# Altium PCB CT310高端控制盒基板电路V1.0.PcbDoc (part 7 of 8)
Units mil, origin at the board's own origin, x right, y up, seen from the top; angles counter-clockwise.
Board outline 8162.61 x 6196.81 mil, 2 copper layers (Top Layer, Bottom Layer), stack 65.792 mil thick; 265 components, 178 nets, 926 pads, 298 vias.
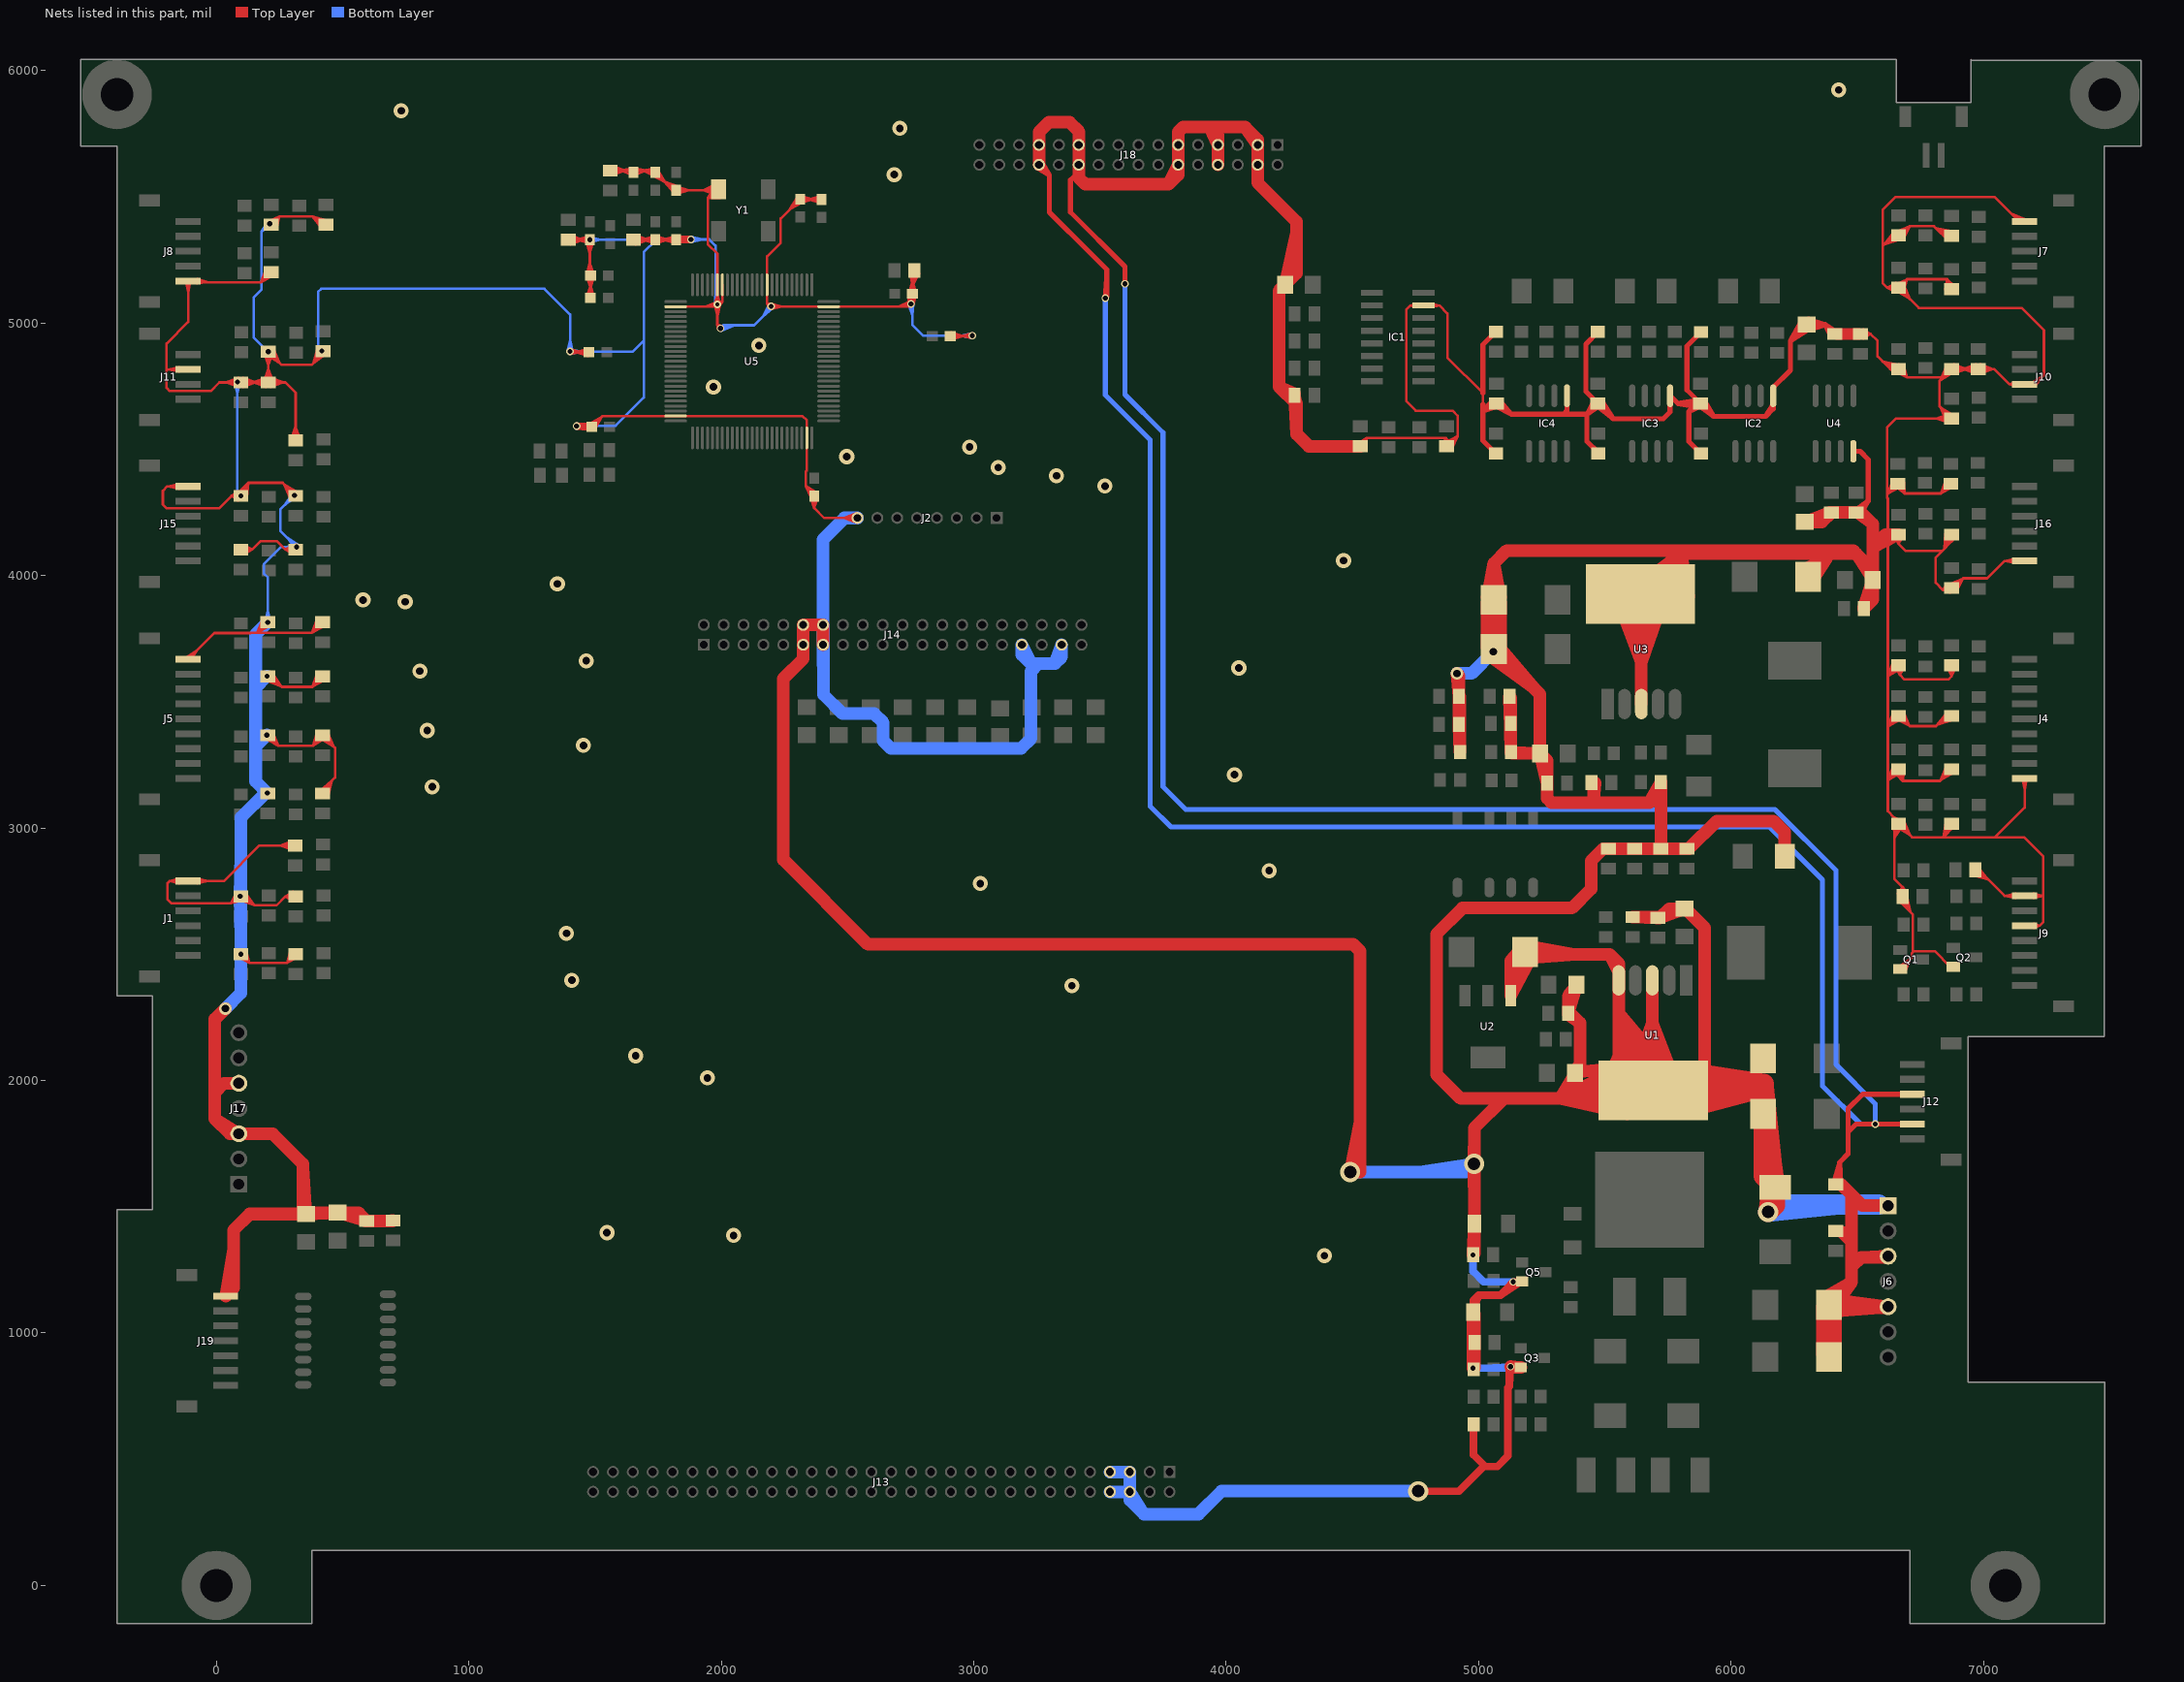
[diagram p7: the nets of this part, all layers, seen from the top]

## Via types
v1: diameter 30, hole 20, Top Layer to Bottom Layer, tented both sides, 226 vias
v2: diameter 60, hole 30, Top Layer to Bottom Layer, tented both sides, 32 vias
v3: diameter 50, hole 30, Top Layer to Bottom Layer, tented both sides, 20 vias
v4: diameter 80, hole 50, Top Layer to Bottom Layer, tented both sides, 10 vias
v5: diameter 50, hole 28, Top Layer to Bottom Layer, tented both sides, 8 vias
v6: diameter 30, hole 16, Top Layer to Bottom Layer, tented both sides, 1 vias
v7: diameter 24, hole 16, Top Layer to Bottom Layer, tented both sides, 1 vias

## Nets (pads, with @x,y where several pads share a name; then routed paths per layer and width w, separated by ;. In a path a pad name is that pad's centre, name@x,y a point inside that pad or via, vN(x,y) a via of type N, cw(c..) or ccw(c..) an arc to the next point about the centre after c; other vN are vias at no path point) (continued)
SGND: C1.2 C2.1 C3.1 C4.2 C5.1 C6.2 C7.2 C8.2 C9.1 C10.1 C11.1 C12.1 C13.1 C14.1 C15.2 C16.2 C17.2 C18.2 C19.2 C20.2 C21.1 C22.1 C23.2 C24.2 C25.2 C26.2 C27.2 C28.2 C29.2 C30.2 C31.2 C32.2 C33.2 C34.2 C35.2 C36.2 C37.2 C38.2 C39.2 C40.2 C41.2 C42.2 C43.2 C44.2 C45.2 C46.2 C47.2 C48.2 C49.2 C50.2 C51.2 C52.2 C53.2 C54.2 C55.2 C56.2 C57.2 C58.2 C59.2 C60.2 C61.2 C62.2 C63.2 C64.2 C65.2 C66.2 C67.2 C68.1 C69.2 C70.2 C71.2 C72.2 C73.2 C74.1 C75.1 C76.2 C77.2 C78.2 C79.1 C80.1 C81.1 C82.1 C83.1 C84.1 C85.2 C86.2 C89.2 C90.2 C91.2 C92.1 C93.1 C94.2 C95.1 C96.2 C97.2 C98.2 C99.1 C100.2 C101.1 C102.2 C103.1 C104.2 C107.2 C109.2 C111.2 C112.1 C113.1 C114.1 C115.1 D4.1 D5.1 D6.1 D7.1 IC1.15 IC2.5 IC3.5 IC4.5 J1.6 J2.8 J4.9 J5.9 J6.1 J6.3 J6.5 J7.1 J8.1 J9.2 J9.4 J10.3 J11.3 J12.3 J12.5 J13.5 J13.6 J13.7 J13.8 J14.11 J14.12 J14.13 J14.14 J14.33 J14.37 J15.6 J16.6 J17.3 J17.5 J18.3 J18.4 J18.7 J18.8 J18.11 J18.12 J18.21 J18.22 J18.25 J18.26 J19.7 Q1.2 Q2.2 Q3.2 Q5.2 R1.2 R3.1 R11.1 R19.1 R27.1 R28.1 R36.2 R37.2 R97.2 R98.1 R99.1 R104.2 R105.2 R106.2 R107.2 R110.2 R113.2 U1.0 U1.3 U1.5 U2.1 U3.0 U3.3 U4.4 U5.10 U5.19 U5.20 U5.27 U5.49 U5.74 U5.99 Y1.2 | length 176280.4
  Top Layer w10: J1.6@-148.39,2781.27 -185.01,2789.99 ; J1.6@-148.39,2798.71 -185.01,2789.99 ; J15.6@-148.25,4344.2 -191.15,4352.93 ; J15.6@-148.25,4361.67 -191.15,4352.93 ; J11.3@-148.25,4807.48 -191.15,4816.22 ; J11.3@-148.25,4824.95 -191.15,4816.22 ; J1.6@-147.37,2789.99 -185.01,2789.99 ; J15.6@-147.37,4352.93 -191.15,4352.93 ; J11.3@-147.37,4816.22 -191.15,4816.22 ; J8.1@-120.67,5165.3 -111.93,5122.41 J8.1@-103.2,5165.3 ; J5.9@-117.57,3675.25 -76.94,3703.51 J5.9@-105.2,3662.88 ; J5.9@-111.93,3668.52 -8.45,3772 134,3772 134.55,3772.55 161.53,3772.55 ; J15.6@-111.93,4352.93 -194.07,4352.93 -212,4335 -212,4281 -197,4266 11,4266 60.6,4315.6 ; J11.3@-111.93,4816.22 -197.22,4816.22 ; J8.1@-76.59,5157.41 -32.54,5161.37 ; J1.6@-76.5,2789.99 -32.72,2789.99 ; J8.1@-76.5,5166.19 -32.54,5161.37 ; J1.6@-75.62,2781.25 -32.72,2789.99 ; J1.6@-75.62,2798.72 -32.72,2789.99 ; J8.1@-74.68,5174.77 -32.54,5161.37 ; C67.2@74.95,4762.75 C67.2@88.19,4746.33 ; C67.2@75.54,4772.34 C67.2@88.19,4783 ; C30.2@76.92,2740.59 57,2701 ; C67.2@83.38,4757.02 38.58,4764.79 ; C67.2@84,4764.67 11.67,4764.67 -22.62,4730.38 -184.38,4730.38 -197.22,4743.22 -197.22,4816.22 ; C30.2@84.54,2726.77 C30.2@94.75,2712.34 ; C30.2@85.37,2735.05 57,2701 ; C67.2@85.4,4757.1 C67.2@103.23,4764.67 ; C67.2@85.59,4776.87 129.97,4764.67 ; C67.2@85.62,4776.87 129.11,4764.67 ; C30.2@85.7,2724.43 C30.2@99.85,2712.31 ; C58.2@85.79,4297.85 60.6,4315.6 ; C58.2@85.79,4333.35 60.6,4315.6 ; C58.2@87.69,4325.86 126,4367 ; C67.2@87.73,4776.28 C67.2@103.23,4764.67 ; C30.2@88.82,2721.44 135.47,2699.06 ; C58.2@88.91,4321.01 120.82,4361.44 ; C58.2@89.07,4321.25 119.86,4357.43 ; C30.2@89.29,2721.18 134.39,2702.76 ; C58.2@89.27,4321.53 121.54,4356.93 ; C58.2@89.31,4321.58 124.06,4359.8 ; C30.2@89.8,2720.92 135.67,2705.2 ; C30.2@90.06,2720.81 139.91,2704.91 ; C58.2@90.21,4307.07 60.6,4315.6 ; C58.2@90.21,4324.14 60.6,4315.6 ; C67.2@90.73,4756.07 37.8,4764.67 ; C67.2@90.73,4773.26 37.8,4764.67 ; C30.2@91.42,2728.92 57,2701 ; C58.2@91.42,4315.6 60.6,4315.6 ; C67.2@91.42,4764.67 37.8,4764.67 ; C28.2@91.53,2485.93 131,2466 ; C67.2@93.99,4766.6 C67.2@88.19,4746.33 ; C67.2@93.99,4767.51 C67.2@88.19,4783 ; C30.2@94,2728.92 84.92,2728.92 57,2701 ; C58.2@95.64,4319.69 126,4367 ; C30.2@95.78,2720.16 C30.2@116.08,2728.92 ; C30.2@96.18,2721.72 57,2701 ; C30.2@96.74,2739.62 C30.2@116.08,2728.92 ; C28.2@97.08,2494.37 131,2466 ; C30.2@97.33,2728.92 C30.2@116.08,2728.92 ; C52.2@97.33,4102.6 141.99,4102.6 ; C58.2@97.33,4338.33 126,4367 ; C67.2@97.33,4764.67 C69.2@205.65,4764.67 ; C30.2@98.67,2721.6 151,2694 ; C30.2@99.61,2738.28 139.91,2704.91 ; C30.2@99.97,2738.02 135.67,2705.2 ; C30.2@100.41,2737.67 134.39,2702.76 ; C30.2@100.73,2737.4 135.47,2699.06 ; C28.2@103.23,2500.42 131,2466 ; C30.2@103.23,2728.92 151,2694 ; C52.2@103.23,4102.6 141.99,4102.6 ; C58.2@103.23,4315.6 126,4367 ; C30.2@103.7,2727.58 C30.2@94.75,2712.34 ; C67.2@103.92,4756.07 156.85,4764.67 ; C67.2@103.92,4773.26 156.85,4764.67 ; C30.2@103.99,2730.48 C30.2@99.85,2712.31 ; C52.2@104.19,4094.03 141.99,4102.6 ; C52.2@104.19,4111.17 141.99,4102.6 ; C58.2@106.34,4311.28 124.06,4359.8 ; C58.2@106.43,4311.48 121.54,4356.93 ; C67.2@106.46,4746.33 156.85,4764.67 ; C67.2@106.46,4783 156.85,4764.67 ; C58.2@106.58,4311.81 119.86,4357.43 ; C58.2@106.63,4311.93 120.82,4361.44 ; C52.2@107.7,4084.52 141.99,4102.6 ; C52.2@107.7,4120.68 141.99,4102.6 ; C30.2@108.81,2735.49 151,2694 ; C28.2@110.44,2505.15 131,2466 ; C58.2@111.36,4312.73 126,4367 ; C30.2@116.45,2742.03 151,2694 ; C28.2@119.86,2508.79 131,2466 ; C58.2@121.27,4310.98 126,4367 ; C47.2@181.79,3824.27 161.53,3772.55 ; C69.2@187.31,4767.9 205.65,4818.29 ; C46.2@190.15,3366.27 C46.2@197.69,3352.25 ; C47.2@190.79,3819.76 161.53,3772.55 ; C39.2@191.28,3598.67 C39.2@200.02,3583.67 ; C46.2@193.51,3360.39 237.54,3329.42 ; C46.2@193.76,3360.19 236.52,3332.42 ; C46.2@193.91,3360.07 236.99,3333.26 ; C46.2@194.02,3359.99 238.18,3333.24 ; C46.2@194.12,3359.91 240.87,3332.13 ; C39.2@195.27,3592.81 241.07,3566.85 ; C24.2@195.68,4886.09 204.54,4840.15 ; C62.2@195.69,5211.37 177.09,5161.37 ; C39.2@195.73,3592.5 240.13,3570.88 ; C24.2@195.73,4885.62 206.76,4840.15 ; C47.2@195.8,3820.86 166.22,3775.26 ; C47.2@195.85,3820.92 167.59,3777.71 ; C47.2@195.92,3821.01 167.44,3778.45 C47.2@210,3806.94 ; C47.2@196,3821.11 166.75,3778.62 ; C47.2@196.1,3821.23 164.34,3777.08 ; C39.2@196.25,3592.2 241.62,3573.4 ; C39.2@196.51,3592.07 244.44,3573.56 ; C69.2@196.51,4746.33 146.12,4764.67 ; C69.2@196.51,4783 146.12,4764.67 ; C39.2@196.56,3592.04 245.7,3573.29 ; C69.2@197.06,4765.36 205.65,4818.29 ; C24.2@197.06,4886.23 205.65,4833.3 ; C47.2@197.74,3814.67 161.53,3772.55 ; C24.2@198.95,4879.5 242.62,4846.82 ; C69.2@199.05,4756.07 146.12,4764.67 ; C69.2@199.05,4773.26 146.12,4764.67 ; C24.2@199.16,4879.31 241.55,4849.78 ; C24.2@199.3,4879.2 241.86,4850.71 C24.2@213.38,4893.27 ; C24.2@199.42,4879.1 242.72,4851.03 ; C24.2@199.53,4879.01 245.58,4849.75 ; C24.2@199.58,4872.66 250.48,4842.09 ; C69.2@199.74,4764.67 146.12,4764.67 ; C46.2@200.8,3377.97 C46.2@216.52,3371.69 ; C24.2@201.33,4895.95 C24.2@187.31,4883.69 ; C39.2@203.13,3591.23 C39.2@218.33,3599.67 ; C46.2@203.47,3360.49 245.25,3325 ; C46.2@203.65,3366.6 245.25,3325 ; C47.2@203.83,3808.55 161.53,3772.55 ; C39.2@204.56,3592.64 258.13,3559.87 ; C39.2@204.6,3610.33 C39.2@218.33,3599.67 ; C24.2@204.68,4876.97 C24.2@187.31,4883.69 ; C62.2@204.76,5206.98 177.09,5161.37 ; C46.2@204.96,3359.32 C46.2@216.52,3371.69 ; C24.2@205.47,4880.81 250.48,4842.09 ; C24.2@206.62,4876.97 C24.2@223.99,4883.69 ; C39.2@207.05,3608.96 245.7,3573.29 ; C39.2@207.14,3608.89 244.44,3573.56 ; C46.2@207.26,3374.88 240.87,3332.13 ; C46.2@207.42,3374.71 238.18,3333.24 ; C39.2@207.43,3608.66 241.62,3573.4 ; C46.2@207.53,3374.58 236.99,3333.26 ; C46.2@207.65,3374.44 236.52,3332.42 ; C46.2@207.78,3374.28 237.54,3329.42 ; C39.2@207.87,3608.27 240.13,3570.88 ; C39.2@208.18,3607.96 241.07,3566.85 ; C46.2@208.94,3363.51 C46.2@197.69,3352.25 ; C46.2@209.55,3366.6 245.25,3325 ; C39.2@209.55,3599.67 258.13,3559.87 ; C47.2@209.63,3800.33 161.53,3772.55 ; C47.2@209.87,3806.83 164.34,3777.08 ; C47.2@209.91,3806.87 166.75,3778.62 ; C24.2@209.97,4895.95 C24.2@223.99,4883.69 ; C47.2@210.1,3807.02 167.59,3777.71 ; C47.2@210.24,3807.14 166.22,3775.26 ; C39.2@210.4,3597.58 C39.2@200.02,3583.67 ; C69.2@211.55,4764.67 265.18,4764.67 ; C24.2@211.55,4886.93 250.48,4842.09 ; C62.2@211.74,5201.93 177.09,5161.37 ; C59.2@212.1,5404.61 250.33,5422.61 ; C69.2@212.25,4756.07 265.18,4764.67 ; C69.2@212.25,4773.26 265.18,4764.67 ; C24.2@213.11,4893.59 245.58,4849.75 ; C24.2@213.27,4893.4 242.72,4851.03 ; C24.2@213.48,4893.15 241.55,4849.78 ; C24.2@213.59,4893 242.62,4846.82 ; C69.2@214.24,4765.36 205.65,4818.29 ; C24.2@214.24,4886.23 205.65,4833.3 ; C69.2@214.79,4746.33 265.18,4764.67 ; C69.2@214.79,4783 265.18,4764.67 ; C39.2@215.46,3605.94 258.13,3559.87 ; C24.2@215.56,4885.62 204.54,4840.15 ; C24.2@215.61,4886.09 206.76,4840.15 ; C59.2@217.48,5396.04 250.33,5422.61 ; C62.2@217.65,5201.93 177.09,5161.37 ; C59.2@217.65,5389.93 250.33,5422.61 ; C62.2@217.83,5195.81 177.09,5161.37 ; C24.2@218.46,4892.09 250.48,4842.09 ; C39.2@223.36,3612.16 258.13,3559.87 ; C62.2@223.57,5187.54 177.09,5161.37 ; C59.2@223.55,5389.93 250.33,5422.61 ; C69.2@223.99,4767.9 205.65,4818.29 ; C46.2@225.54,3376.15 245.25,3325 ; C24.2@227.36,4896.78 250.48,4842.09 ; C59.2@230.75,5385.17 250.33,5422.61 ; C59.2@240.21,5381.59 250.33,5422.61 ; C27.2@291.57,2509.05 279.56,2466 ; C61.2@295.64,4538.33 313.97,4588.72 ; C55.2@300.88,4311.16 273.41,4357.87 ; C27.2@300.93,2505.25 279.56,2466 ; C55.2@300.9,4311.14 275.09,4355.32 ; C55.2@300.96,4311.06 275.06,4354.52 ; C55.2@301.03,4310.97 274.75,4353.98 ; C55.2@301.16,4310.44 269.14,4360.44 ; C55.2@301.16,4310.79 272.92,4354.53 ; C55.2@301.21,4310.73 270.78,4356.54 ; C55.2@301.54,4323.66 C55.2@292.26,4305.75 ; C31.2@302.84,2912.33 252.45,2930.67 ; C31.2@302.84,2949 252.45,2930.67 ; C29.2@303.09,2710.97 273.25,2728.92 ; C29.2@303.09,2746.86 273.25,2728.92 ; C49.2@303.09,4084.66 273.25,4102.6 ; C49.2@303.09,4120.55 273.25,4102.6 ; C31.2@305.38,2922.07 252.45,2930.67 ; C31.2@305.38,2939.26 252.45,2930.67 ; C61.2@305.38,4535.79 313.97,4588.72 ; C31.2@306.07,2930.67 252.45,2930.67 ; C29.2@307,2720.36 273.25,2728.92 ; C29.2@307,2737.47 273.25,2728.92 ; C49.2@307,4094.05 273.25,4102.6 ; C49.2@307,4111.16 273.25,4102.6 ; C27.2@308.07,2500.42 279.56,2466 ; C29.2@308.07,2728.92 273.25,2728.92 ; C49.2@308.07,4102.6 273.25,4102.6 ; C55.2@308.07,4315.6 269.14,4360.44 ; C55.2@310.79,4318.79 262.57,4367 126,4367 ; C31.2@311.97,2930.67 170.67,2930.67 29.99,2789.99 J1.6@-111.93,2789.99 -185.01,2789.99 ; C55.2@312.35,4307.58 C55.2@292.26,4305.75 ; C27.2@313.97,2500.42 279.56,2466 ; C29.2@313.97,2728.92 273.25,2728.92 ; C49.2@313.97,4102.6 273.25,4102.6 ; C61.2@313.97,4535.1 313.97,4724.03 273.33,4764.67 C69.2@205.65,4764.67 ; C27.2@314.15,2494.3 279.56,2466 ; C55.2@314.15,4321.71 269.14,4360.44 ; C55.2@315.63,4324.49 274.75,4353.98 ; C55.2@315.72,4324.41 275.06,4354.52 ; C55.2@315.81,4324.33 275.09,4355.32 ; C55.2@315.9,4324.23 273.41,4357.87 ; C27.2@319.62,2485.81 279.56,2466 ; C55.2@320.04,4329.87 269.14,4360.44 ; C61.2@322.57,4535.79 313.97,4588.72 ; C61.2@332.31,4538.33 313.97,4588.72 ; C42.2@397.91,3375.27 382,3325 ; C35.2@398.34,3609.12 379.63,3559 ; C43.2@398.43,3824.27 378.18,3772.55 ; C42.2@407.18,3371.33 382,3325 ; C35.2@407.41,3604.72 379.63,3559 ; C43.2@407.44,3819.76 378.18,3772.55 ; C26.2@408.96,4892.3 383.5,4840.5 ; C26.2@409.19,4893.73 389.52,4846.52 ; C26.2@409.31,4893.95 389.83,4849.62 ; C26.2@409.47,4894.22 387.62,4848.89 ; C26.2@409.57,4894.37 385.43,4847.17 ; C34.2@412.03,3148.68 456.37,3186.37 ; C26.2@412.22,4880.84 C26.2@399.58,4895.93 ; C42.2@414.23,3352.34 465.13,3321.77 ; C42.2@414.39,3366.6 382,3325 ; C35.2@414.39,3599.67 379.63,3559 ; C43.2@414.39,3814.67 378.18,3772.55 ; C56.2@415.58,5376.41 380.39,5422.61 ; C26.2@416.39,4887.93 383.5,4840.5 ; C26.2@419.03,4898.95 C26.2@399.58,4895.93 ; C34.2@419.18,3141.61 456.37,3186.37 ; C42.2@420.12,3360.49 465.13,3321.77 ; C34.2@420.3,3136.6 420.3,3150.3 470,3200 470,3316.9 C42.2@420.3,3366.6 420.3,3363.3 382,3325 ; C35.2@420.3,3599.67 379.63,3559 ; C43.2@420.3,3814.67 378.18,3772.55 ; C35.2@420.47,3593.55 379.63,3559 ; C43.2@420.47,3808.55 378.18,3772.55 ; C42.2@420.74,3360.77 382,3325 ; C26.2@422.3,4879.3 377,4834 258.57,4834 v1(205.65,4886.93) ; C56.2@423.02,5383.18 380.39,5422.61 ; C26.2@423.09,4882.5 383.5,4840.5 ; C26.2@425.28,4882.14 385.43,4847.17 ; C26.2@425.33,4882.2 387.62,4848.89 ; C26.2@425.49,4882.37 389.83,4849.62 ; C26.2@425.7,4882.62 390.23,4847.64 ; C26.2@425.72,4882.65 389.52,4846.52 ; C26.2@425.79,4882.73 388.22,4844.02 ; C34.2@426.2,3136.6 456.37,3186.37 ; C42.2@426.2,3366.6 465.13,3321.77 ; C35.2@426.22,3585.29 379.63,3559 ; C43.2@426.28,3800.33 378.18,3772.55 ; C42.2@426.83,3352.75 382,3325 ; C56.2@428.39,5389.93 380.39,5422.61 ; C26.2@429.78,4874.98 383.5,4840.5 ; C56.2@432.7,5397.39 380.39,5422.61 ; C42.2@433.1,3371.77 465.13,3321.77 ; C34.2@433.88,3132.69 456.37,3186.37 ; C56.2@434.3,5389.93 413.07,5389.93 380.39,5422.61 ; C56.2@436.27,5406.8 380.39,5422.61 ; C42.2@442,3376.46 465.13,3321.77 ; C34.2@443.46,3129.62 456.37,3186.37 ; C95.1@1393.3,5329.92 v1(1479.3,5329.92) ; C95.1@1399.2,5329.92 1452.82,5329.92 ; C95.1@1399.89,5321.33 1452.82,5329.92 ; C95.1@1399.89,5338.52 1452.82,5329.92 ; v1@1401.51,4877.01 1446.15,4884.29 ; C95.1@1402.43,5311.58 1452.82,5329.92 ; C95.1@1402.43,5348.26 1452.82,5329.92 ; v1@1402.7,4896.85 1446.15,4884.29 ; v1@1425.09,4582.18 C102.2@1470.65,4578.43 ; v1@1426.19,4601.97 C102.2@1472.47,4600.71 ; v1@1429.93,4582.44 C102.2@1472.47,4600.71 ; v1@1430.99,4601.17 C102.2@1470.65,4578.43 ; C92.1@1464.77,5325.79 1479.3,5278.27 ; C104.2@1467.25,5101.49 1481.86,5148.98 ; C97.2@1467.25,5189.71 1479.3,5238.12 ; C97.2@1467.34,5186.13 1481.86,5138.61 C97.2@1496.39,5186.13 ; R97.2@1471.72,4869.77 1424.21,4884.29 ; R97.2@1471.72,4898.82 1424.21,4884.29 ; R97.2@1473.89,4884.29 1424.21,4884.29 ; R97.2@1475.86,4884.29 1400.29,4884.29 1401,4885 v1(1401,4887) 1446.15,4884.29 ; C92.1@1477.13,5315.4 1429.61,5329.92 ; C92.1@1477.13,5344.45 1429.61,5329.92 ; C92.1@1478.27,5319.98 1429.9,5330.01 ; C92.1@1478.27,5339.87 1429.9,5329.84 ; C92.1@1478.3,5319.97 1429.9,5329.84 ; C92.1@1478.3,5339.88 1429.9,5330.01 ; C92.1@1479.3,5327.96 1479.3,5278.27 ; C102.2@1479.51,4600.72 1527.67,4630.19 ; C102.2@1482.63,4574.77 v1@1435.11,4589.29 ; C102.2@1482.63,4603.82 v1@1435.11,4589.29 ; C102.2@1484.8,4589.29 v1@1435.11,4589.29 ; C102.2@1488.74,4589.29 1527.67,4630.19 ; C92.1@1493.82,5325.79 1479.3,5278.27 ; C104.2@1496.3,5101.44 1481.86,5148.98 ; C97.2@1496.26,5191.2 1479.3,5238.12 ; C102.2@1500.6,4580.64 1527.67,4630.19 ; C90.2@1560.3,5604.6 1730.42,5604.6 C94.2@1738.3,5596.73 ; C90.2@1565.91,5603.37 1619.55,5604.6 ; C90.2@1566.4,5611.98 1619.55,5604.6 ; C90.2@1566.8,5594.79 1619.55,5604.6 ; C90.2@1568.72,5621.78 1619.55,5604.6 ; C90.2@1569.56,5585.11 1619.55,5604.6 ; C91.2@1648.58,5584.51 1601.72,5604.6 ; C91.2@1651.94,5613.38 1601.72,5604.6 ; C99.1@1652.36,5329.92 C103.1@1821.3,5329.92 ; C91.2@1652.78,5613.38 1702.91,5604.6 ; C91.2@1656.15,5584.51 1702.91,5604.6 ; C99.1@1658.26,5329.92 1711.89,5329.92 ; C99.1@1658.96,5321.33 1711.89,5329.92 ; C99.1@1658.96,5338.52 1711.89,5329.92 ; C99.1@1661.5,5311.58 1711.89,5329.92 ; C99.1@1661.5,5348.26 1711.89,5329.92 ; C94.2@1729.64,5582.9 1779.19,5555.83 ; C94.2@1734.06,5582.67 1686.69,5604.6 ; C101.1@1736.13,5315.4 1688.61,5329.92 C101.1@1736.13,5344.45 ; C94.2@1738.3,5594.76 1779.19,5555.83 ; C94.2@1738.45,5611.41 1686.69,5604.6 ; C101.1@1740.47,5315.4 1787.98,5329.92 C101.1@1740.47,5344.45 ; 1744.15,4631.76 U5.49@1779.9,4631.76 ; C94.2@1749.72,5603.99 1779.19,5555.83 ; C93.1@1811.41,5516.97 1774.92,5560.1 ; U5.27@1819.15,5064.83 1983.83,5064.83 v6@1984.5,5065.5 ; C103.1@1819.13,5315.4 1771.61,5329.92 ; C103.1@1819.13,5344.45 1771.61,5329.92 ; C93.1@1821.29,5527.83 1774.92,5560.1 ; C103.1@1823.47,5315.4 1870.98,5329.92 C103.1@1823.47,5344.45 ; C93.1@1823.46,5511.34 1870.98,5525.86 C93.1@1823.46,5540.39 ; C93.1@1828.05,5540.87 1774.92,5560.1 ; U5.49@1858.4,4631.76 1894.15,4631.76 ; U5.27@1858.4,5064.83 1894.15,5064.83 ; v1@1876.37,5340.32 C103.1@1835.86,5319.19 ; v1@1876.8,5321.53 C103.1@1835.05,5340.91 ; v1@1878.65,5340.91 C103.1@1834.98,5329.92 ; v1@1879.13,5321.04 C103.1@1834.98,5329.92 ; v1@1881.08,5340.94 C103.1@1835.05,5340.91 ; v1@1881.51,5321.11 C103.1@1835.86,5319.19 ; Y1.2@1971.89,5536.83 1946.34,5495.34 ; v6@1974.56,5072.18 1984.5,5028.3 ; v6@1974.58,5074.58 U5.20@1984.5,5112.19 ; Y1.2@1979.97,5530.61 1946.34,5495.34 ; v6@1981.31,5082.77 2004.19,5085.19 ; v6@1981.7,5082.9 1937.56,5064.83 ; Y1.2@1982.59,5552.68 1929.22,5525.86 ; v6@1984.5,5076.44 U5.20@1984.5,5112.19 ; U5.20@1984.5,5190.69 1984.5,5226.44 ; Y1.2@1985.09,5504.74 1929.22,5525.86 ; v6@1985.23,5063.32 1937.56,5064.83 ; Y1.2@1986.36,5543.28 1929.22,5525.86 ; v1@1987.81,4975.07 1984.5,4995.5 ; Y1.2@1987.86,5514.48 1929.22,5525.86 ; Y1.2@1988.87,5519.13 1946.34,5495.34 ; v6@1991.41,5066.06 2004.19,5085.19 ; Y1.2@1993.99,5505.54 1946.34,5495.34 ; v6@1994.44,5072.18 1984.5,5028.3 ; v6@1994.42,5074.58 U5.20@1984.5,5112.19 ; Y1.2@1995.07,5495.4 1946.34,5495.34 ; v1@2003.28,4986.79 1984.5,4995.5 ; U5.19@2004.19,5112.19 2004.19,5085.19 ; U5.19@2004.19,5151.44 2004.19,5085.19 ; U5.10@2181.35,5112.19 2181.35,5078 ; U5.10@2181.35,5190.69 2181.35,5226.44 ; v1@2194.52,5064.83 2181.35,5078 ; v1@2197,5064.83 U5.99@2425.44,5064.83 2739.83,5064.83 v1(2751,5076) ; v1@2197.85,5056.04 2242.04,5064.83 ; v1@2198.37,5075.91 2242.04,5064.83 ; R99.1@2300.87,5497.99 2271.4,5449.83 ; R99.1@2312.3,5488.76 2271.4,5449.83 ; R99.1@2314.09,5476.15 2362.01,5489.43 ; R99.1@2314.84,5505.19 2362.01,5489.43 ; R99.1@2320.95,5476.9 2271.4,5449.83 ; 2338.83,4470.15 U5.74@2338.83,4505.9 ; U5.74@2338.83,4584.4 2338.83,4614 ; 2350.44,5064.83 U5.99@2386.19,5064.83 ; C100.2@2353.51,4310.23 2368,4267 ; C100.2@2355.56,4308.74 2335.32,4354.88 ; C100.2@2368,4312.6 2368,4267 ; C100.2@2368,4316.54 2335.32,4354.88 ; C100.2@2377.67,4327.59 2335.32,4354.88 ; C100.2@2382.49,4310.23 2368,4267 ; C89.2@2394.83,5474.91 2347.32,5489.43 C89.2@2394.83,5503.96 ; C89.2@2397,5489.43 2313.59,5489.43 R99.1@2312.3,5490.73 ; U5.99@2464.69,5064.83 2500.44,5064.83 ; J2.8@2536.17,4209.66 2485.79,4228 ; J2.8@2536.17,4246.34 2485.79,4228 ; J2.8@2538.72,4219.41 2485.79,4228 ; J2.8@2538.72,4236.59 2485.79,4228 ; J2.8@2539.41,4228 2407,4228 2368,4267 ; v1@2741.02,5075.39 C98.2@2743.82,5111.32 ; v1@2741.07,5074.83 C98.2@2741.05,5117.7 ; v1@2741.28,5078.37 C98.2@2755.67,5116.29 ; v1@2741.41,5078.82 C98.2@2757.63,5116.29 ; v1@2742.86,5081.81 C98.2@2768.5,5109.16 ; v1@2743.03,5082.03 C98.2@2771.45,5111.32 ; C98.2@2743.11,5118.46 2757.63,5165.98 C98.2@2772.16,5118.46 ; C96.2@2746.76,5201.55 2757.63,5147.92 ; v1@2747.78,5085.47 2702.6,5064.83 ; v1@2752.26,5066.08 2702.6,5064.83 ; C96.2@2756.77,5202.64 2757.63,5147.92 ; v1@2760.2,5072.09 C98.2@2771.45,5111.32 ; v1@2760.39,5072.55 C98.2@2768.5,5109.16 ; v1@2760.39,5079.44 C98.2@2741.05,5117.7 ; v1@2760.43,5079.33 C98.2@2743.82,5111.32 ; v1@2760.99,5075.6 C98.2@2757.63,5116.29 ; v1@2761,5076.08 C98.2@2755.67,5116.29 ; C96.2@2765.37,5202.09 2757.63,5147.92 ; C96.2@2765.51,5203 2757.63,5203 C98.2@2757.63,5116.29 ; C96.2@2773.78,5200.21 2757.63,5147.92 ; C96.2@2783.09,5196.36 2757.63,5147.92 ; R98.1@2906.43,4948.29 2993.29,4948.29 2995,4950 v1(2994,4950) 2948.93,4948.29 ; R98.1@2908.4,4948.29 2958.09,4948.29 ; R98.1@2910.57,4933.77 2958.09,4948.29 ; R98.1@2910.57,4962.82 2958.09,4948.29 ; v1@2992.52,4959.89 2948.93,4948.29 ; v1@2993.27,4940.03 2948.93,4948.29 ; C109.2@4523.99,4524.99 4556.55,4544.55 ; C109.2@4530.33,4517.07 4556.55,4544.55 ; C109.2@4531.3,4511.86 4531.3,4519.3 4556.55,4544.55 ; C109.2@4537.2,4511.86 4556.55,4544.55 ; C109.2@4545.07,4508.34 4556.55,4544.55 ; C109.2@4555.06,4506.59 4556.55,4544.55 ; IC1.15@4748.99,5062.59 4730.3,5069.3 ; IC1.15@4748.99,5076.01 4730.3,5069.3 ; IC1.15@4750.16,5069.3 4730.3,5069.3 ; IC1.15@4813.15,5069.3 4844.7,5069.3 ; IC1.15@4813.89,5062.52 4844.7,5069.3 ; IC1.15@4813.89,5076.07 4844.7,5069.3 ; C111.2@4855,4515.35 4870.04,4544.55 ; C111.2@4864.68,4512.14 4870.04,4544.55 ; C111.2@4867.78,4526.57 4917,4553 ; C111.2@4873.32,4518.17 4917,4553 ; C111.2@4879.2,4511.86 4917,4553 ; C111.2@4881.69,4513.83 4870.04,4544.55 ; C111.2@4885.98,4506.53 4917,4553 ; C111.2@4890.54,4518.88 4870.04,4544.55 ; C111.2@4894.82,4501.72 4917,4553 ; 5017.02,4678 5017.02,4721.98 4876,4863 4876,5038 4844.7,5069.3 ; C83.1@6512.7,4956.45 6552.55,4956.45 ; C83.1@6518.61,4956.45 6552.55,4956.45 ; C83.1@6519.71,4947.9 6552.55,4956.45 ; C83.1@6519.71,4965 6552.55,4956.45 ; C83.1@6523.72,4938.54 6552.55,4956.45 ; C83.1@6523.72,4974.36 6552.55,4956.45 ; 6620.77,4161.49 6620.77,4305 6617.77,4308 6617.77,4585.77 6653.99,4621.99 C25.2@6873.32,4621.99 6825.3,4670.01 6825.3,4769.97 C78.2@6873.32,4817.99 ; C48.2@6638.27,4372.68 6620.77,4323.83 ; C33.2@6641.36,3242.34 6620.77,3189.23 ; C40.2@6641.46,3453.5 6620.77,3401.33 ; C32.2@6641.46,3653.5 6620.77,3601.33 ; C54.2@6641.46,4171.13 6620.77,4118.96 ; C66.2@6644.42,5360.29 6606.14,5310.14 ; C41.2@6644.83,3019.28 6646.3,2958.8 ; C54.2@6645.3,4156.7 6663.3,4125.29 ; C23.2@6646.45,4802.92 6599.49,4848.51 ; C48.2@6647.38,4368.38 6620.77,4323.83 ; C33.2@6650.39,3237.89 6620.77,3189.23 ; C40.2@6650.45,3448.97 6620.77,3401.33 ; C32.2@6650.45,3648.97 6620.77,3601.33 ; C54.2@6650.45,4166.6 6620.77,4118.96 ; C32.2@6651.06,3639.68 6668.3,3606.3 ; C66.2@6651.9,5353.57 6606.14,5310.14 ; C33.2@6652.12,3225.44 6679.3,3186.3 ; C48.2@6652.1,4351.19 6687,4325 ; C23.2@6652.88,4810.64 6599.49,4848.51 ; C71.2@6652.98,5121.83 6618.07,5139.93 ; C71.2@6652.98,5158.02 6618.07,5139.93 ; C48.2@6654.39,4363.36 6620.77,4323.83 ; C54.2@6654.74,4160.46 6663.3,4125.29 ; C41.2@6654.87,3018.69 6646.3,2958.8 ; C71.2@6656.44,5131.36 6618.07,5139.93 ; C71.2@6656.44,5148.5 6618.07,5139.93 ; C71.2@6657.19,5125.69 6707.99,5095.01 ; C41.2@6657.23,3002.6 6708.13,2972.03 